# Altium PCB unisat_gs_board.PcbDoc (part 1 of 2)
Units mm, origin at the board's own origin, x right, y up, seen from the top; angles counter-clockwise.
Board outline 53 x 99.74 mm, 2 copper layers (Top Layer, Bottom), stack 0.98 mm thick; 108 components, 82 nets, 459 pads, 498 vias.
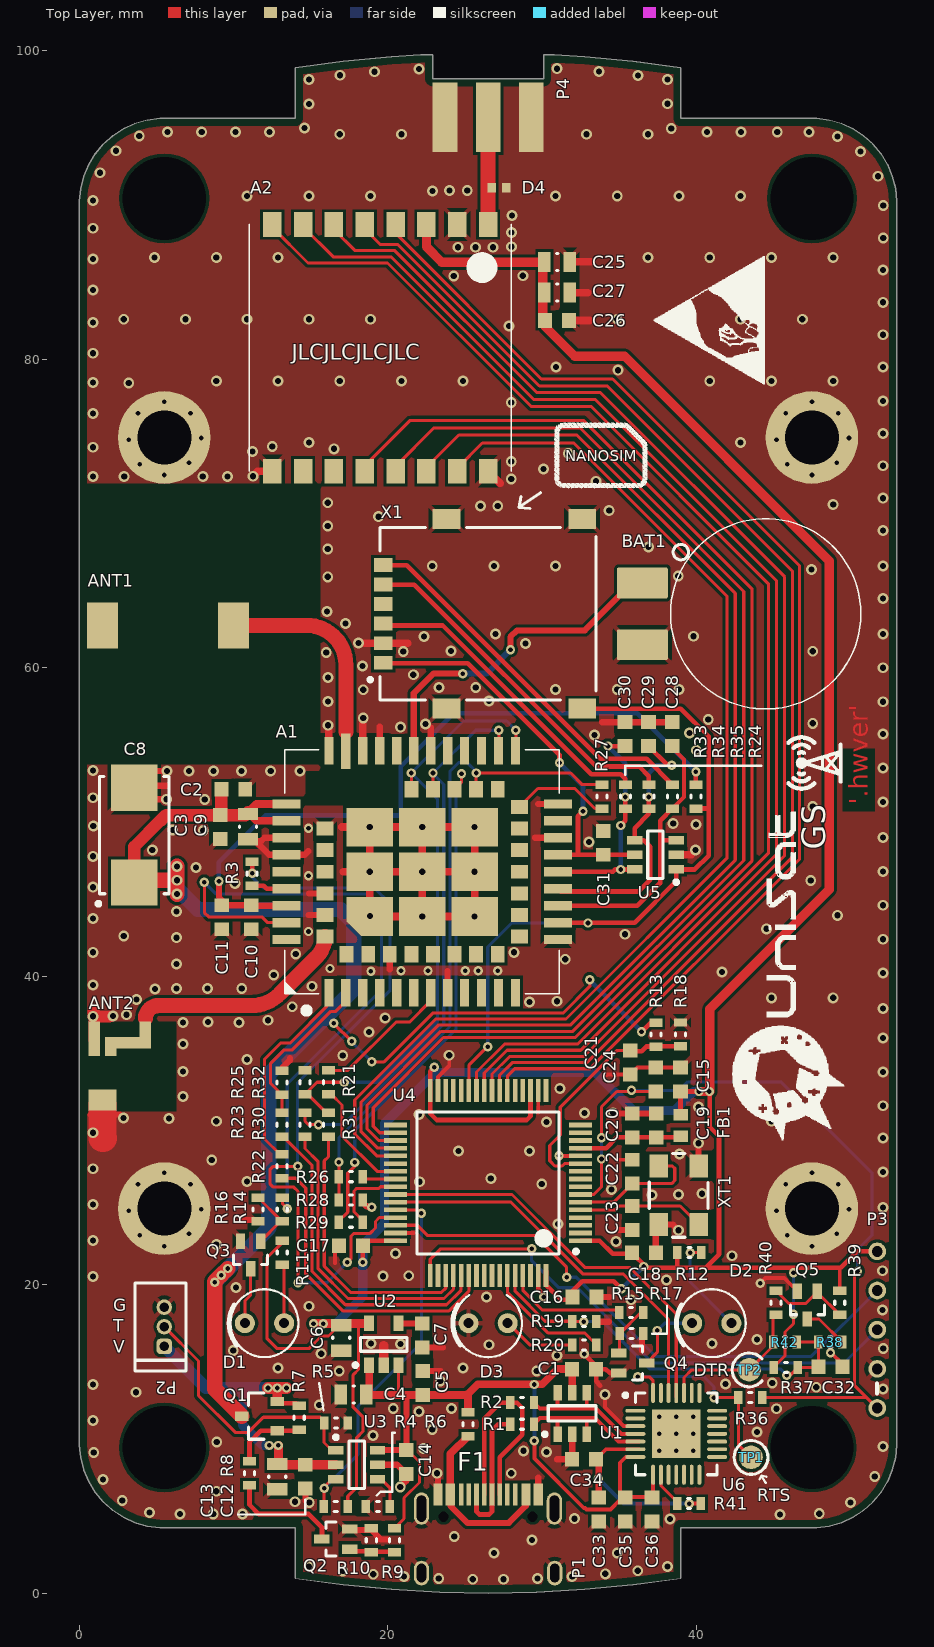
[diagram p0: Top Layer view]
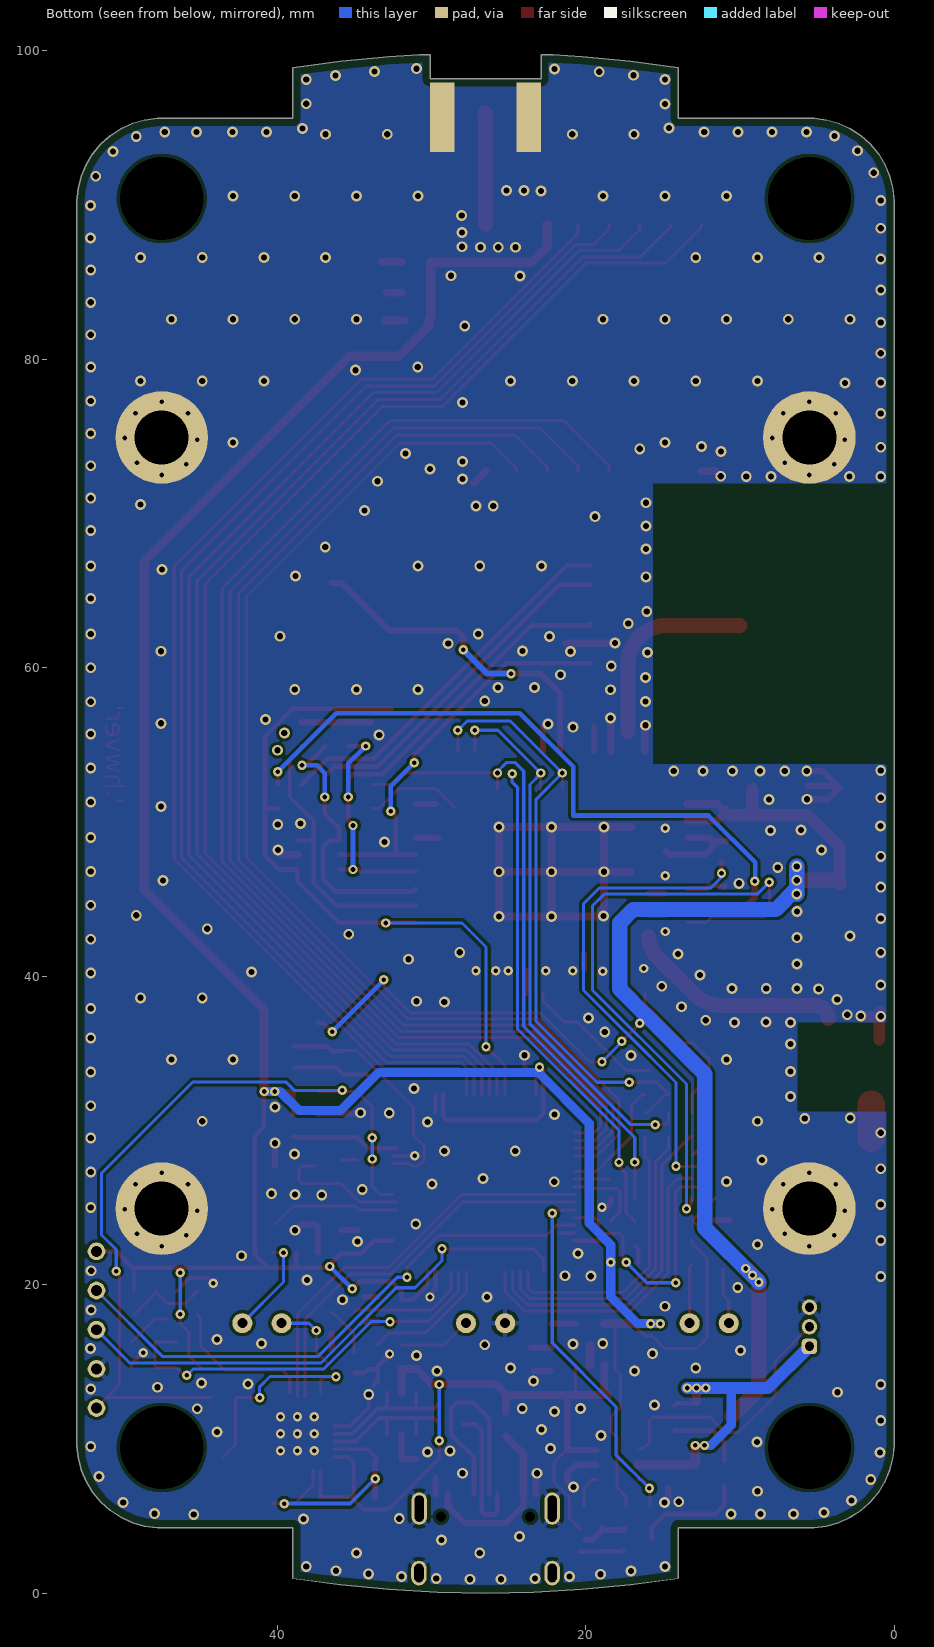
[diagram p1: Bottom view, seen from below]
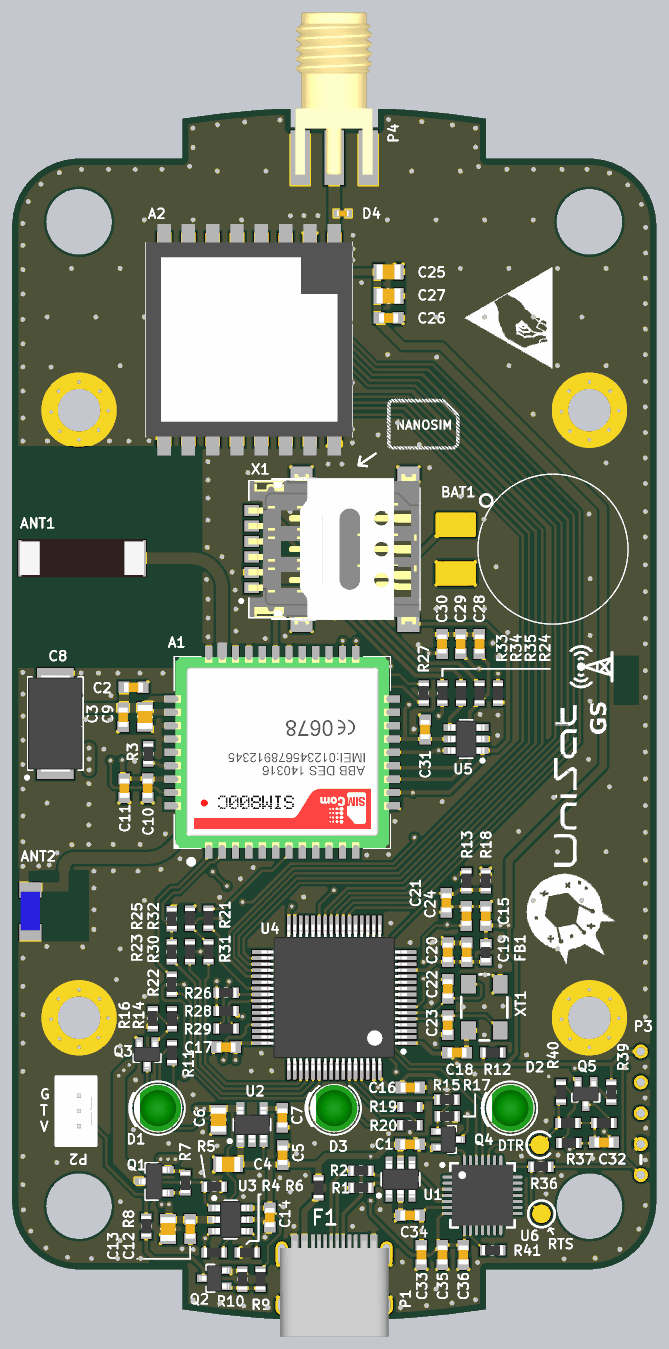
[diagram p3: 3D render of the assembled board from above, using the file's embedded part models]

## Layer stack, top to bottom
Top Solder: solder mask 0.01, Solder Resist, Dk 3.5
Top Layer: signal copper 0.035
Dielectric 1: dielectric 0.91, FR-4, Dk 4.8
Bottom: signal copper 0.035
Bottom Solder: solder mask 0.01, Solder Resist, Dk 3.5

## Board outline
1.025,6.533 0.599,7.234 0.282,7.991 0.081,8.786 0,9.602 0,90.266 0.081,91.082 0.282,91.877 0.599,92.634 1.025,93.335 1.551,93.964 2.164,94.509 2.852,94.956 3.598,95.296 4.387,95.522 5.2,95.627 14,95.627 14,98.922 17.109,99.335 20.232,99.631 22.125,99.738 22.9,99.738 22.9,98.2 30.1,98.2 30.1,99.738 30.788,99.738 30.789,99.743 32.768,99.631 35.891,99.335 39,98.922 39,95.627 47.8,95.627 48.613,95.522 49.402,95.296 50.148,94.956 50.836,94.509 51.449,93.964 51.975,93.335 52.401,92.634 52.718,91.877 52.919,91.082 53,90.266 53,9.602 52.919,8.786 52.718,7.991 52.401,7.234 51.975,6.533 51.449,5.904 50.836,5.359 50.148,4.912 49.402,4.572 48.613,4.346 47.8,4.241 39,4.241 39,0.946 35.891,0.533 32.768,0.237 29.636,0.059 26.5,0 23.364,0.059 20.232,0.237 17.109,0.533 14,0.946 14,4.241 5.2,4.241 4.387,4.346 3.598,4.572 2.852,4.912 2.164,5.359 1.551,5.904

## Design rules (kind name [scope] priority, off if disabled: settings)
BoardOutlineClearance BoardOutlineClearance_CONN [InComponent('P1') or  InComponent('P4')] p1: gap=0.01
BoardOutlineClearance BoardOutlineClearance_silk [OnTopSilkscreen] p2: gap=0.2
BoardOutlineClearance BoardOutlineClearance_ALL [All] p3: gap=0.5
Clearance [InNetClass('RF50')] p1: gap=0.2
Clearance Clearance_ALL [All] p2: gap=0.2
ComponentClearance ComponentClearance_RF_RES [InComponent('R19') OR InComponent('R20') vs InComponent('R19') OR InComponent('R20')] p1: gap=-1 collisioncheckmode=3 verticalgap=2540 showdistances=FALSE
ComponentClearance ComponentClearance_EDGE [InComponent('CN1') vs InComponent('D3') OR InComponent('U5') OR  HasFootprint('TestPoint_1M0') OR  InComponent('F1')] p2: gap=-1 collisioncheckmode=3 verticalgap=2540 showdistances=FALSE
ComponentClearance ComponentClearance_ALL [All] p3: gap=0.2 collisioncheckmode=3 verticalgap=0.3 showdistances=FALSE
HoleSize [All] p1: absolutevalues=TRUE maxlimit=6.2 minlimit=0.3 maxpercent=80.000 minpercent=20.000
MinimumAnnularRing [All] p1: minimumring=0.15
MinimumSolderMaskSliver MinimumSolderMaskSliver_USB [HasFootprint('TYPE-C-C165948')] p1: minsoldermaskwidth=0.075
MinimumSolderMaskSliver MinimumSolderMaskSliver_ALL [All] p2: minsoldermaskwidth=0.1
PolygonConnect PolygonConnect_RF [InComponent('P4') or  InComponent('D4') vs InNet('GND')] p1: connectstyle=Direct reliefconductorwidth=0.254 reliefentries=4 polygonreliefangle="45 Angle" airgapwidth=0.254
PolygonConnect PolygonConnect_MNT [IsPad and (HoleSize > 2.5) vs InNet('GND')] p2: connectstyle=Direct reliefconductorwidth=0.254 reliefentries=4 polygonreliefangle="45 Angle" airgapwidth=0.254
PolygonConnect PolygonConnect_VIA [InNet('GND') AND IsVia] p3: connectstyle=Direct reliefconductorwidth=0.254 reliefentries=4 polygonreliefangle="45 Angle" airgapwidth=0.254
PolygonConnect PolygonConnect_all [All] p4: connectstyle=Relief reliefconductorwidth=0.3 reliefentries=4 polygonreliefangle="45 Angle" airgapwidth=0.254
RoomDefinition USB [InComponentClass('USB')] p1 off: confinementstyle=ConfineIn formatcopy=TRUE lockcomponents=FALSE outline 0.15,-24.526 3.225,-24.526 3.225,-17.725 0.15,-17.725
RoomDefinition SIM [InComponentClass('SIM')] p2 off: confinementstyle=ConfineIn formatcopy=TRUE lockcomponents=FALSE outline -2.725,-24.5 -0.225,-24.5 -0.225,-17.75 -2.725,-17.75
RoomDefinition RF [InComponentClass('RF')] p3 off: confinementstyle=ConfineIn formatcopy=TRUE lockcomponents=FALSE outline -5.975,-24.5 -3.475,-24.5 -3.475,-17.75 -5.975,-17.75
RoomDefinition PWR [InComponentClass('PWR')] p4 off: confinementstyle=ConfineIn formatcopy=TRUE lockcomponents=FALSE outline -12.475,-24.5 -9.725,-24.5 -9.725,-17.75 -12.475,-17.75
RoomDefinition MCU [InComponentClass('MCU')] p5 off: confinementstyle=ConfineIn formatcopy=TRUE lockcomponents=FALSE outline -9.225,-24.4 -6.475,-24.4 -6.475,-17.75 -9.225,-17.75
RoomDefinition 00_Main [InComponentClass('00_Main')] p6 off: confinementstyle=ConfineIn formatcopy=TRUE lockcomponents=FALSE outline -16.225,-24.5 -13.225,-24.5 -13.225,-17.75 -16.225,-17.75
RoutingVias [All] p1: holewidth=0.3 width=0.605 viastyle="Through Hole" minholewidth=0.3 minwidth=0.605 maxholewidth=2 maxwidth=1
SilkToSilkClearance SilkToSilkClearance_Text [All vs IsObjectKind('Text')] p1: silktosilkclearance=0.152
SilkToSilkClearance SilkToSilkClearance_1 [All] p2: silktosilkclearance=0
SilkToSolderMaskClearance [IsPad] p1: minsilkscreentomaskgap=0.152 clearancetoexposedcopper=TRUE
SolderMaskExpansion SolderMaskExpansion_JST [HasFootprint('JST_1.25MM_3V')] p1: expansion=0.075
SolderMaskExpansion SolderMaskExpansion_ALL [All] p2: expansion=0.102
Width Width_RF50 [InNetClass('RF50')] p1: maxlimit=0.98 minlimit=0.98 preferedwidth=0.98
Width Width_ALL [All] p2: maxlimit=1.8 minlimit=0.2 preferedwidth=0.3
25 further rules are at their usual default settings.

## Classes and differential pairs
component class USB: C32 C33 C34 C35 C36 Q5 R36 R37 R38 R39 R40 R41 R42 TP1 TP2 U6
net class RF50: NetA1_32 NetA1_68 NetA2_1
component class SIM: ANT1 ANT2 C28 C29 C30 C31 D7 R21 R22 R23 R24 R25 R26 R27 R28 R29 R30 R31 R32 R33 R34 R35 U5 X1
component class RF: A2 C25 C26 C27 D4 P4
component class PWR: A1 BAT1 C2 C3 C4 C5 C6 C7 C8 C9 C10 C11 C12 C13 C14 C15 C16 C17 C18 C19 C20 C21 D1 D2 FB1 P2 Q1 Q2 Q3 Q4 R3 R4 R5 R6 R7 R8 R9 R10 R11 R12 R13 R14 R15 R16 R17 R18 U2 U3 U4
component class MCU: C22 C23 C24 D3 P3 R19 R20 XT1
component class 00_Main: C1 F1 P1 R1 R2 U1

## Components (designator, comment, footprint, x,y, rotation, side; value= is the part's Value field where it differs from the comment)
A1 "SIM868" SIM868 22.225,46.775 r180 top locked
A2 "RA-01" RA-01 19.5,80.75 r270 top locked
ANT1 "W3070" W3070 10,62.75 r180 top
ANT2 "ANT3216LL15R1575A" ANT3216LL15 1.49,31.97 r270 top
BAT1 "17mAh" ML1220 44.5,63.5 r180 top
C1 "100n" C0603_IPC_MD 32.725,14.525 r0 top
C2 "100n" C0603_IPC_MD 9.975,52.125 r180 top
C3 "100n" C0603_IPC_MD 9.128,49.67 r90 top
C4 "22u" C0805_IPC_HD 17.775,12.875 r180 top
C5 "100n" C0603_IPC_MD 22.25,13.625 r90 top
C6 "22u" C0805_IPC_HD 16.975,16.55 r270 top
C7 "10n" C0603_IPC_MD 22.225,16.7 r90 top
C8 "220u" TANT_CAP_7343 3.55,49.15 r90 top
C9 "22u" C0805_IPC_HD 10.925,49.7 r270 top
C10 "1u" C0603_IPC_MD 11.15,43.825 r90 top
C11 "100n" C0603_IPC_MD 9.225,43.825 r90 top
C12 "1u" C0603_IPC_MD 14.65,7.55 r90 top
C13 "22u" C0805_IPC_HD 12.825,7.55 r270 top
C14 "1u" C0603_IPC_MD 21.2,8.5 r90 top
C15 "100n" C0603_IPC_MD 38.975,33.3 r270 top
C16 "100n" C0603_IPC_MD 32.75,19.2 r180 top
C17 "100n" C0603_IPC_MD 17.6,22.525 r0 top
C18 "1u" C0603_IPC_MD 36.6,22.075 r180 top
C19 "100n" C0603_IPC_MD 37.4,30.325 r270 top
C20 "1u" C0603_IPC_MD 35.85,30.325 r270 top
C21 "1u" C0603_IPC_MD 35.725,34.4 r90 top
C22 "18p" C0603_IPC_MD 35.85,27.325 r270 top
C23 "18p" C0603_IPC_MD 35.85,24.325 r90 top
C24 "100n" C0603_IPC_MD 37.375,33.3 r270 top
C25 "22u" C0805_IPC_HD 30.975,86.325 r0 top
C26 "100n" C0603_IPC_MD 30.975,82.525 r0 top
C27 "22u" C0805_IPC_HD 30.975,84.325 r0 top
C28 "18p" C0603_IPC_MD 38.45,55.7 r270 top
C29 "18p" C0603_IPC_MD 36.9,55.7 r270 top
C30 "18p" C0603_IPC_MD 35.375,55.7 r270 top
C31 "100n" C0603_IPC_MD 33.975,48.65 r270 top
C32 "100n" C0603_IPC_MD 48.7,14.675 r180 top
C33 "1u" C0603_IPC_MD 33.675,5.425 r90 top
C34 "100n" C0603_IPC_MD 32.725,8.675 r0 top
C35 "100n" C0603_IPC_MD 35.4,5.425 r90 top
C36 "100n" C0603_IPC_MD 37.125,5.425 r90 top
D1 "LTL-4231N" LED3MM_HOLDER 12,17.5 r180 top locked
D2 "LTL-4231N" LED3MM_HOLDER 41,17.5 r180 top locked
D3 "LTL-4231N" LED3MM_HOLDER 26.5,17.5 r180 top locked
D4 "LXES15AAA1-153" C0402_IPC_MD 27.2,91.125 r180 top
F1 "1A" R0603_IPC_MD 25.2,10.95 r90 top
FB1 "MH1608-601Y" L0603_IPC_MD 38.975,30.325 r270 top
P1 "TYPE-C-31-M-12" TYPE-C-C165948 26.5,1.3 r0 top locked
P2 "JST_3V_1.25MM" JST_1.25MM_3V 5.5,16 r90 top
P3 "SWD" SWD_CON_VAR2 51.73,12 r180 top
P4 "SMA-SMD-EDGE" SMA-SMD-EDGE 26.5,98.3 r270 top locked
Q1 "DMG2305UX-13" SOT23 11.675,11.475 r180 top
Q2 "BSS816NW" SOT323 16.625,3.5 r180 top
Q3 "BSS816NW" SOT323 11.1,21.925 r270 top
Q4 "BSS816NW" SOT323 35.875,14.925 r0 top
Q5 "BSS816NW" SOT323 47.2,18.675 r270 top
R1 "22R" R0603_IPC_MD 28.7,10.95 r0 top
R2 "22R" R0603_IPC_MD 28.7,12.35 r0 top
R3 "330R" R0603_IPC_MD 11.2,46.65 r270 top
R4 "100k" R0603_IPC_MD 16.625,5.625 r0 top
R5 "237k" R0603_IPC_MD 16.634,11.025 r180 top
R6 "1k5" R0603_IPC_MD 19.35,5.625 r0 top
R7 "100k" R0603_IPC_MD 14.25,11.375 r90 top
R8 "330R" R0603_IPC_MD 11.025,7.775 r90 top
R9 "330R" R0603_IPC_MD 20.425,3.425 r90 top
R10 "100k" R0603_IPC_MD 18.925,3.425 r270 top
R11 "330R" R0603_IPC_MD 13.15,22.075 r90 top
R12 "330R" R0603_IPC_MD 39.55,22.075 r180 top
R13 "100k" R0603_IPC_MD 37.375,36.216 r90 top
R14 "330R" R0603_IPC_MD 13.15,24.875 r90 top
R15 "330R" R0603_IPC_MD 35.775,18.2 r180 top
R16 "100k" R0603_IPC_MD 11.575,24.875 r90 top
R17 "100k" R0603_IPC_MD 35.8,16.825 r180 top
R18 "100k" R0603_IPC_MD 38.975,36.225 r270 top
R19 "5.62k" R0603_IPC_MD 32.725,17.6 r180 top
R20 "330R" R0603_IPC_MD 32.725,16.1 r180 top
R21 "1k" R0603_IPC_MD 16.15,33.125 r90 top
R22 "1k" R0603_IPC_MD 13.125,27.675 r90 top
R23 "1k" R0603_IPC_MD 13.125,30.375 r90 top
R24 "5.62k" R0603_IPC_MD 39.975,51.65 r90 top
R25 "5.62k" R0603_IPC_MD 13.125,33.1 r270 top
R26 "1k" R0603_IPC_MD 17.6,27 r180 top
R27 "5.62k" R0603_IPC_MD 33.875,51.65 r270 top
R28 "5.62k" R0603_IPC_MD 17.6,25.5 r180 top
R29 "1k" R0603_IPC_MD 17.6,24.05 r180 top
R30 "1k" R0603_IPC_MD 14.625,30.375 r90 top
R31 "1k" R0603_IPC_MD 16.15,30.375 r90 top
R32 "5.62k" R0603_IPC_MD 14.625,33.125 r270 top
R33 "22R" R0603_IPC_MD 35.4,51.65 r90 top
R34 "22R" R0603_IPC_MD 36.925,51.65 r90 top
R35 "22R" R0603_IPC_MD 38.45,51.65 r90 top
R36 "330R" R0603_IPC_MD 43.5,12.675 r180 top
R37 "100k" R0603_IPC_MD 45.809,14.625 r180 top
R38 "330R" R0603_IPC_MD 48.684,16.275 r0 top
R39 "100k" R0603_IPC_MD 49.3,18.822 r90 top
R40 "330R" R0603_IPC_MD 45.166,18.822 r90 top
R41 "100k" R0603_IPC_MD 39.525,5.8 r180 top
R42 "330R" R0603_IPC_MD 45.75,16.275 r0 top
TP1 "RTS" TestPoint_1M5 43.55,8.8 r0 top
TP2 "DTR" TestPoint_1M5 43.425,14.475 r0 top
U1 "TPD4E001DBVR" SOT23-6 31.95,11.65 r90 top
U2 "MIC5219-3.3YM5-TR" SOT23-5_(MT) 19.73,16.135 r90 top
U3 "BQ21040DBVR" SOT23-6 17.975,8.325 r0 top
U4 "STM32L073RZT6" LQFP64_10X10MM 26.5,26.6 r180 top locked
U5 "TPD4E001DBVR" SOT23-6 37.35,47.875 r180 top
U6 "CP2102-GMR" QFN28_(SL) 38.7,10.325 r0 top
X1 "SNO-1305-B" SNO-1305-B 26.5,63.5 r90 top
XT1 "8 MHz" 5.0X3.2_4PAD_SMT 38.85,25.8 r270 top

## Footprints (in the part's own frame and the unit in brackets; to place one, negate y for a bottom-side part, rotate by r counter-clockwise, add the part's x,y. Pads: shape width x height; smd on the part's side, far side on the other; paste and mask are expansions set on the pad)
5.0X3.2_4PAD_SMT [mm] "5.0mm x 3.2mm Oscillator"
  rect 1.5x1.2 smd paste+0: 1(-1.9,-1.3) 2(1.9,-1.3) 3(1.9,1.3) 4(-1.9,1.3)
  silkscreen extent -2.7,-1.9 2.73,1.9, body extent -2.55,-1.65 2.55,1.65, height 1.5
ANT3216LL15 [mm]
  rect 1.25x0.75 smd paste-5 mask-2: 1(-4.48,2.785)
  rect 0.75x3 smd paste-5 mask-2: 1(-3.73,1.66)
  rect 1.25x0.74 smd paste-6: 1(-3.48,0.53)
  rect 2.25x0.74 smd paste-5 mask-2: 2(-3.98,-0.53)
  rect 1.35x1.8 smd: 2(0,0)
  Top Layer pour cut-out: -5.11,-1.2 0.68,-1.2 0.68,4.8 -5.11,4.8
  body extent -3.35,-0.8 -0.15,0.8, height 1.2
C0402_IPC_MD [mm] "Chip Capacitor, 2-Leads, Body 1,00x0,50mm, IPC Medium Density"
  rect 0.55x0.64 smd: 1(-0.475,0) 2(0.475,0)
  body extent -0.5,-0.25 0.5,0.25, height 0.5
C0603_IPC_MD [mm] "Chip Capacitor, 2-Leads, Body 1,60x0,80mm, IPC Medium Density"
  rect 0.9x0.95 smd: 1(-0.775,0) 2(0.775,0)
  body extent -0.8,-0.4 0.8,0.4, height 0.8
C0805_IPC_HD [mm] "Chip Capacitor, 2-Leads, Body 2,00x1,25mm, IPC High Density"
  rect 0.8x1.3 smd: 1(-0.825,0) 2(0.825,0)
  silkscreen extent -0.05,-0.55 0.05,0.55, body extent -1,-0.63 1,0.63, height 1.25
JST_1.25MM_3V [mm]
  rrect50% 1x1 hole 0.6: 1(0,0)
  round 1 hole 0.6: 2(1.27,0) 3(2.54,0)
  silkscreen extent -1.6,-1.4 4.1,1.9, body extent -1.6,-1.4 4.14,1.93, height 4.22
L0603_IPC_MD [mm] "Chip Inductor, 2-Leads, Body 1,60x0,80mm, IPC Medium Density"
  rect 0.75x0.94 smd: 1(-0.705,0) 2(0.705,0)
  body extent -0.85,-0.4 0.85,0.4, height 0.8
LED3MM_HOLDER [mm]
  round 1.3 hole 0.65: 1(1.27,0) 2(-1.27,0)
  silkscreen extent -2.2,-2.2 2.3,2.2, body extent -2,-2 2,2, height 11.3
LQFP64_10X10MM [mm] "LQFP, 64-Leads, Body 10,00x10,00mm, Pitch 0,50mm, IPC Medium Density"
  rect 1.5x0.3 smd: 1(-6,3.75) 2(-6,3.25) 3(-6,2.75) 4(-6,2.25) 5(-6,1.75) 6(-6,1.25) 7(-6,0.75) 8(-6,0.25) 9(-6,-0.25) 10(-6,-0.75) 11(-6,-1.25) 12(-6,-1.75) 13(-6,-2.25) 14(-6,-2.75) 15(-6,-3.25) 16(-6,-3.75) 33(6,-3.75) 34(6,-3.25) 35(6,-2.75) 36(6,-2.25) 37(6,-1.75) 38(6,-1.25) 39(6,-0.75) 40(6,-0.25) 41(6,0.25) 42(6,0.75) 43(6,1.25) 44(6,1.75) 45(6,2.25) 46(6,2.75) 47(6,3.25) 48(6,3.75)
  rect 0.3x1.5 smd: 17(-3.75,-6) 18(-3.25,-6) 19(-2.75,-6) 20(-2.25,-6) 21(-1.75,-6) 22(-1.25,-6) 23(-0.75,-6) 24(-0.25,-6) 25(0.25,-6) 26(0.75,-6) 27(1.25,-6) 28(1.75,-6) 29(2.25,-6) 30(2.75,-6) 31(3.25,-6) 32(3.75,-6) 49(3.75,6) 50(3.25,6) 51(2.75,6) 52(2.25,6) 53(1.75,6) 54(1.25,6) 55(0.75,6) 56(0.25,6) 57(-0.25,6) 58(-0.75,6) 59(-1.25,6) 60(-1.75,6) 61(-2.25,6) 62(-2.75,6) 63(-3.25,6) 64(-3.75,6)
  silkscreen extent -5.82,-4.6 4.6,4.6, body extent -6,-6 6,6, height 1.6
ML1220 [mm]
  rrect10% 3.3x2 smd paste-5: 1(8,-2) 2(8,2)
  silkscreen extent -6.17,-6.17 6.17,6.17, body extent -6.25,-6.25 6.25,6.25, height 2.1
QFN28_(SL) [mm] "QFN, 28-Leads, Body 5,00x5,00mm, Pitch 0,50mm, Thermal Pad 3,13x3,13mm, IPC Medium Density"
  oval 1.3x0.25 smd mask+0.051: 1(-2.65,1.5) 2(-2.65,1) 3(-2.65,0.5) 4(-2.65,0) 5(-2.65,-0.5) 6(-2.65,-1) 7(-2.65,-1.5) 15(2.65,-1.5) 16(2.65,-1) 17(2.65,-0.5) 18(2.65,0) 19(2.65,0.5) 20(2.65,1) 21(2.65,1.5)
  oval 0.25x1.3 smd mask+0.051: 8(-1.5,-2.65) 9(-1,-2.65) 10(-0.5,-2.65) 11(0,-2.65) 12(0.5,-2.65) 13(1,-2.65) 14(1.5,-2.65) 22(1.5,2.65) 23(1,2.65) 24(0.5,2.65) 25(0,2.65) 26(-0.5,2.65) 27(-1,2.65) 28(-1.5,2.65)
  rect 3.13x3.13 smd mask+0.051: 29(0,0)
  silkscreen extent -3.42,-2.65 2.65,2.65, body extent -2.5,-2.5 2.5,2.5, height 1
R0603_IPC_MD [mm] "Chip Resistor, 2-Leads, Body 1,60x0,80mm, IPC Medium Density"
  rect 0.55x0.85 smd: 1(-0.775,0) 2(0.775,0)
  silkscreen extent -0.1,-0.33 0.1,0.33, body extent -0.85,-0.4 0.85,0.4, height 0.45
RA-01 [mm] "RF MODULE"
  rect 1.6x1.2 smd paste-2: 1(-8,7) 2(-8,5) 3(-8,3) 4(-8,1) 5(-8,-1) 6(-8,-3) 7(-8,-5) 8(-8,-7) 9(8,-7) 10(8,-5) 11(8,-3) 12(8,-1) 13(8,1) 14(8,3) 15(8,5) 16(8,7)
  silkscreen extent -8,-8.5 8,8.5, body extent -8,-8.5 8,8.5, height 2.6
SIM868 [mm]
  rect 0.6x1.8 smd mask+0.051: 1(6.05,7.85) 2(4.95,7.85) 3(3.85,7.85) 4(2.75,7.85) 5(1.65,7.85) 6(0.55,7.85) 7(-0.55,7.85) 8(-1.65,7.85) 9(-2.75,7.85) 10(-3.85,7.85) 11(-4.95,7.85) 12(-6.05,7.85) 22(-6.05,-7.85) 23(-4.95,-7.85) 24(-3.85,-7.85) 25(-2.75,-7.85) 26(-1.65,-7.85) 27(-0.55,-7.85) 28(0.55,-7.85) 29(1.65,-7.85) 30(2.75,-7.85) 31(3.85,-7.85) 33(6.05,-7.85)
  rect 1.8x0.6 smd mask+0.051: 13(-8.8,4.4) 14(-8.8,3.3) 15(-8.8,2.2) 16(-8.8,1.1) 17(-8.8,0) 18(-8.8,-1.1) 19(-8.8,-2.2) 20(-8.8,-3.3) 21(-8.8,-4.4) 34(8.8,-4.4) 35(8.8,-3.3) 36(8.8,-2.2) 37(8.8,-1.1) 38(8.8,0) 39(8.8,1.1) 40(8.8,2.2) 41(8.8,3.3) 42(8.8,4.4)
  rect 0.6x2.3 smd paste+0.1 mask+0.051: 32(4.95,-7.8)
  rect 0.9x1.1 smd paste-0.08 mask+0.051: 43(4.9,5.35) 44(3.5,5.35) 45(2.1,5.35) 46(0.7,5.35) 47(-0.7,5.35) 48(-2.1,5.35) 49(-3.5,5.35) 50(-4.9,5.35) 58(-4.9,-5.35) 59(-3.5,-5.35) 60(-2.1,-5.35) 61(-0.7,-5.35) 62(0.7,-5.35)
  rect 1.1x0.9 smd paste-0.08 mask+0.051: 51(-6.3,4.2) 52(-6.3,2.8) 53(-6.3,1.4) 54(-6.3,0) 55(-6.3,-1.4) 56(-6.3,-2.8) 57(-6.3,-4.2) 63(6.3,-2.8) 64(6.3,-1.4) 65(6.3,0) 66(6.3,1.4) 67(6.3,2.8)
  rect 1.1x0.9 smd paste+0 mask+0.051: 68(6.3,4.2)
  rect 3x2.5 smd paste-10 mask+0.075: PAD(-3.4,-2.9) PAD(-3.4,0) PAD(-3.4,2.9) PAD(0,2.9) PAD(0,0) PAD(0,-2.9) PAD(3.4,-2.9) PAD(3.4,0)
  rect 2.07x2.5 smd paste-10 mask+0.075: PAD(2.935,2.9)
  rect 3x1.57 smd paste-10 mask+0.075: PAD(3.4,2.435)
  rect 1x1.32 smd rot 45 paste-10 mask+0: PAD(4.082,3.33)
  rect 1x1.2 smd rot 45 paste-10 mask+0.075: PAD(4.082,3.33)
  Top Layer pour cut-out: 1.46,-6.54 7.59,-6.54 7.59,-4.27 1.46,-4.27
  silkscreen extent -8.9,-7.9 8.9,9.2, body extent -8.8,-7.84 8.8,7.86, height 2.43
SMA-SMD-EDGE [mm] "Surface mount RF connector"
  rect 4.5x1.6 smd: 1(2.6,2.8) 1(2.6,-2.8) 2(2.6,0)
  rect 4.5x1.6 smd far side: 1(2.6,2.8) 1(2.6,-2.8)
  body extent -9.34,-3.2 3.99,3.15, height 3.85
SNO-1305-B [mm]
  rect 0.9x1.2 smd: C1(-3.175,6.8) C2(-0.635,6.8) C3(1.905,6.8) C5(-1.905,6.8) C6(0.635,6.8) C7(3.175,6.8)
  rect 1.3x1.8 smd: S1(-6.15,2.7) S2(6.15,2.7) S3(6.15,-6.1) SW(-6.15,-6.1)
  silkscreen extent -5.6,-7 5.6,7.76, body extent -6.2,-7.03 6.2,7.07, height 1.4
SOT23 [mm] "SOT23, 3-Leads, Body 2,90x2,30mm, Pitch 0,95mm, IPC Medium Density"
  rect 0.9x0.6 smd: 1(-1.15,0.95) 2(-1.15,-0.95) 3(1.15,0)
  silkscreen extent -0.3,-1.5 0.7,1.5, body extent -1.25,-1.5 1.25,1.5, height 1.1
SOT23-5_(MT) [mm] "SOT23, 5-Leads, Body 2,90x2,80mm, Pitch 0,95mm, IPC Medium Density"
  rect 1x0.66 smd mask+0.051: 1(-1.35,0.95) 2(-1.35,0) 3(-1.35,-0.95) 4(1.35,-0.95) 5(1.35,0.95)
  silkscreen extent -1.47,-1.5 0.45,1.95, body extent -1.45,-1.5 1.45,1.5, height 1.45
SOT23-6 [mm] "SOT23, 6-Leads, Body 2,90x2,80mm, Pitch 0,95mm, IPC Medium Density"
  rect 1x0.55 smd: 1(-1.35,0.95) 2(-1.35,0) 3(-1.35,-0.95) 4(1.35,-0.95) 5(1.35,0) 6(1.35,0.95)
  silkscreen extent -1.47,-1.55 0.5,1.9, body extent -1.5,-1.53 1.5,1.53, height 1.45
SOT323 [mm] "SOT23, 3-Leads, Body 2.00x2.10mm, Pitch 0.65mm, IPC High Density"
  rect 1x0.6 smd: 1(-0.9,0.65) 2(-0.9,-0.65) 3(0.9,0)
  silkscreen extent 0,-1.1 0.63,1.1, body extent -1.2,-1.1 1.2,1.1, height 1
SWD_CON_VAR2 [mm] "Variant 1"
  round 1.15 hole 0.7: 1(0,0) 2(0,-2.54) 3(0,-5.08) 4(0,-7.62) 5(0,-10.16)
  silkscreen extent 0,-1.6 0,-0.95
TANT_CAP_7343 [mm] "Molded Capacitor, 2-Leads, Body 7,30x4,30mm, IPC Medium Density"
  rect 3x3 smd: 1(-3.075,0) 2(3.075,0)
  silkscreen extent -4.57,-2.25 3.8,2.45, body extent -4.02,-2.25 4.02,2.25, height 2
TestPoint_1M5 [mil] "Test Point d=1.5mm"
  round 60 smd paste-393.7: 0(0,0)
  silkscreen extent -43,-43 43,43
TYPE-C-C165948 [mm] "USB TYPE C"
  rect 0x0 hole 0.65 unplated rot 45: 0(-2.89,3.65) 0(2.89,3.65)
  rect 0.6x1.45 smd mask+0.051: A1(-3.25,5.095) A4(-2.45,5.095) A9(2.45,5.095) A12(3.25,5.095)
  rect 0.3x1.45 smd mask+0.051: A5(-1.25,5.095) A6(-0.25,5.095) A7(0.25,5.095) A8(1.25,5.095) B5(1.75,5.095) B6(0.75,5.095) B7(-0.75,5.095) B8(-1.75,5.095)
  oval 1x2.1 hole 0.6 slot 1.7 at 90 deg: SH1(-4.32,4.18) SH4(4.3,4.18)
  oval 1x1.6 hole 0.6 slot 1.2 at 90 deg: SH2(-4.32,0) SH3(4.32,0)
  body extent -4.46,-2.6 4.47,5.3, height 3.21
W3070 [mm] "GMS ANTENNA"
  rect 2x3 smd: 1(0,0) 2(8.5,0)
  body extent -0.85,-1.57 9.35,1.58, height 2.1

## Part data
A1: "GSM & GPRS & GPS Modules PCBModule RoHS"
A2: "Wireless Modules SX1278"
ANT1: "RF ANT 900MHZ/1.8GHZ CHIP SLD"
ANT2: "RF ANT 1.575GHZ CHIP SOLDER SMD"
BAT1: library part ML1220, "BATT LITH 3V 17MAH COIN 12.5MM"
C1 C2 C3 C5 C11 C15 C16 C17 C19 C24 C26 C31 C32 C34 C35 C36: library part CL10B104KO8NNNC, "CAP CER 0.1UF 16V X7R 0603"
C4 C6 C9 C13 C25 C27: library part CL21A226MOCLRNC, "CAP CER 22UF 16V X5R 0805"
C7: library part CL10B103KB8NNNC, "CAP CER 0.01UF 50V X7R 0603"
C8: library part 6TPE220MI, "Tantalum Capacitors 220uF 6.3V CASE-D_7343 RoHS"
C10 C12 C14 C18 C20 C21 C33: library part CL10B105MO8NNWC, "CAP CER 1UF 16V X7R 0603"
C22 C23 C28 C29 C30: library part CL10C180JB8NNNC, "CAP CER 18PF 50V C0G/NP0 0603"
D1 D2 D3: "Light Emitting Diodes (LED) Green 569nm 12.6mcd@10mA Top View DIP3mm RoHS"
D4: "TVS DIODE 4V 0402"
F1: library part MFU0603FF01000P500, "FUSE BOARD MOUNT 1A 32VDC 0603"
FB1: "FERRITE BEAD 600R@100MHz 0603 for Power Line, 1000mA"
P1: "TYPE C PCB TH CONN"
P2: "1.25mm Pitch Connector Micro JST Horizontal Straight Pin 3"
P3: library part SWD-CONNECTOR_VAR1, "SWDIO SWCLK VDD GND NRST"
P4: "SMA SMD EDGE CONNECTER"
Q1: library part DMG2305, "MOSFET P-CH 20V 4.2A SOT23"
Q2 Q3 Q4 Q5: library part BSS816, "N-Channel Logic Level Enhancement Mode Field Effect Transistor"
R1 R2 R33 R34 R35: library part CR0603-JW-220ELF, "RES SMD 22 OHM 5% 1/10W 0603"
R3 R8 R9 R11 R12 R14 R15 R20 R36 R38 R40 R42: library part CR0603-JW-331ELF, "RES SMD 330 OHM 5% 1/10W 0603"
R4 R7 R10 R13 R16 R17 R18 R37 R39 R41: library part RMCF0603FT100K, "RES 100K OHM 1% 1/10W 0603"
R5: library part RC0603FR-07237KL, "RES SMD 237K OHM 1% 1/10W 0603"
R6: library part RC0603JR-071K5L, "RES SMD 1.5K OHM 5% 1/10W 0603"
R19 R24 R25 R27 R28 R32: library part CR0603-JW-5.62kR, "RES 5.62K OHM 1% 1/10W 0603"
R21 R22 R23 R26 R29 R30 R31: library part CR0603-JW-102ELF, "RES SMD 1K OHM 5% 1/10W 0603"
TP1 TP2: library part TP, "Test Point"
U1 U5: "4x TVS DIODE 5.5V SOT23-6"
U2: "IC REG LINEAR 3.3V 500MA SOT23-5"
U3: "IC BAT CHG LI-ION 1 CELL SOT23-6"
U4: "Ultra-low-power 32-bit MCU ARM®-based Cortex®-M0+"
U6: "IC USB-TO-UART BRIDGE 28VQFN"
X1: "Hinged Sim Card Connector. With 6 contacts, with switch for card detection. Profile above PCB is 1.43mm."
XT1: library part ABM3B-8.000MHZ-10-1-U-T, "8MHz ±10ppm Crystal 10pF 200 Ohms 4-SMD, No Lead"

## Free pads (board coordinates)
  round 0 hole 5.4 unplated mask+0: 1(5.5,9.434) 1(47.5,9.434)
  round 6 hole 3.5: 1(5.5,24.934) 1(5.5,74.934) 1(47.5,24.934) 1(47.5,74.934)
  oval 0x5.4 hole 5.4 unplated mask+0: 1(5.5,90.434)
  oval 5.4x0 hole 5.4 unplated mask+0: 1(47.5,90.434)

## Via types
v1: diameter 0.705, hole 0.4, Top Layer to Bottom, tented both sides, 361 vias
v2: diameter 0.605, hole 0.3, Top Layer to Bottom, tented both sides, 119 vias
v3: diameter 0.705, hole 0.4, Top Layer to Bottom, 9 vias
v4: diameter 0.605, hole 0.3, Top Layer to Bottom, 9 vias

## Nets (pads, with @x,y where several pads share a name; then routed paths per layer and width w, separated by ;. In a path a pad name is that pad's centre, name@x,y a point inside that pad or via, vN(x,y) a via of type N, cw(c..) or ccw(c..) an arc to the next point about the centre after c; other vN are vias at no path point)
1PPS: R15.2 U4.61 | length 8.1
  Top Layer w0.2: U4.61@28.75,20.85 U4.61@28.75,20.6 28.75,19.631 30.031,18.35 34.85,18.35 R15.2@35,18.2
+2V8: A1.40 C10.2 C11.2 R24.2 | length 45.8
  Top Layer w0.3: R24.2@39.975,52.425 v2(39.975,53.25)
  Top Layer w0.4: v2(9.05,46.15) 9.05,45.1 9.55,44.6 C10.2@11.15,44.6 C10.2@11.225,44.6 ; C10.2@11.55,44.575 A1.40@13.425,44.575
  Bottom w0.3: v2(9.05,46.15) 9.075,46.15 9.025,46.2 9.025,47.402 12.048,50.425 20.825,50.425 20.825,53.6 24.275,57.05 36.175,57.05 v2(39.975,53.25)
+3V3: A2.3 C6.1 C15.2 C16.2 C17.2 C18.2 C25.1 C26.1 C27.1 FB1.1 P3.5 R4.2 R11.2 R12.2 R37.2 R39.2 U2.5 U4.1 U4.19 U4.32 U4.48 U4.64 | length 213.6
  Top Layer w0.2: R11.2@13.15,22.85 13.15,22.725 12.15,21.725 12.15,16.525 12.825,15.85 14.875,15.85 15.7,16.675 16.15,16.675 16.95,17.475 C6.1@17.025,17.475 ; R4.2@17.4,5.625 17.4,6.275 17.975,6.85 17.975,10.075 18.375,10.475 18.375,11.425 17.75,12.05 17.75,14.15 18.1,14.5 18.1,17.425 18.05,17.475 ; R37.2@44.984,14.625 45.75,15.391 45.75,16.925 46.3,17.475 v2(46.3,18.075) ; R39.2@49.3,19.597 49.3,21.025 49.375,21.1
  Top Layer w0.3: v2(18.375,21.45) C17.2@18.375,22.525 ; C17.2@18.375,22.85 U4.48@20.5,22.85 U4.48@20.75,22.85 ; v2(23,34.1) 22.75,33.85 U4.32@22.75,32.6 22.75,31.1 23.175,30.675 29,30.675 29.25,30.925 U4.19@29.25,32.35 ; U4.64@30.25,20.85 U4.64@30.25,20.6 30.25,20 31.225,19.025 31.95,19.025 31.95,19.575 32.6,20.225 34.651,20.225 v2(35.151,19.725) ; U4.1@32.5,22.85 33.725,22.85 34.575,22 35.75,22 C18.2@35.825,22.075 36.8,21.1 38.725,21.1 ; R12.2@38.775,22.05 38.775,21.15 38.725,21.1 ; FB1.1@38.975,31.03 C15.2@38.975,32.525 v2(40.175,32.525) ; v2@40.875,32.525 40.875,30.225 41.475,29.625 41.475,21.975 40.6,21.1 ; P3.5@51.73,22.16 50.435,22.16 49.375,21.1 40.6,21.1 ; 38.725,21.1 40.6,21.1
  Top Layer w0.6: v2(15.175,17.475) v2(15.8,17.475) C6.1@16.95,17.475 ; C6.1@17.025,17.475 18.05,17.475 18.77,17.475 U2.5@18.78,17.485 ; A2.3@22.5,88.75 22.5,87.3 23.5,86.3 C25.1@29.9,86.3 ; C25.1@30.05,86.325 30.05,82.675 C26.1@30.2,82.525 30.2,82.125 32.125,80.2 35.35,80.2 48.625,66.925 48.625,45.625 40.875,37.875 40.875,32.525 v2(40.85,32.525) v2(40.175,32.525)
  Bottom w0.2: v2(46.3,18.075) v2(46.3,20.775)
  Bottom w0.3: v2(35.151,19.725) v2(36.602,21.176)
  Bottom w0.6: v2(15.175,17.475) v2(15.8,17.475) ; v2@15.875,17.475 16.625,17.475 18.375,19.225 v2(18.375,21.45) 18.375,22.575 19.775,23.975 19.775,30.45 23.025,33.7 23,33.725 v2(23,34.1) ; 23.1,33.75 33.45,33.75 35.9,31.3 38.6,31.3 39.825,32.525 v2(40.85,32.525)
+4V2: A1.34 A1.35 C2.2 C3.2 C8.1 C9.1 Q1.3 R13.2 | length 101.2
  Top Layer w0.2: v2(16.5,36.95) 16.5,36.925 17.65,35.775 v2(17.662,35.775) ; v2(18.95,34.45) 19.759,34.45 22.937,37.627 31.387,37.627 33.1,39.341 v2(33.1,39.775)
  Top Layer w0.3: v2(36.45,36.4) 37.041,36.991 R13.2@37.375,36.991
  Top Layer w0.5: A1.35@13.425,50.075 11.475,50.075 10.925,50.625 11.475,51.175 A1.34@13.425,51.175
  Top Layer w0.8: C8.1@3.55,46.075 3.55,48.4 5.275,50.125 5.299,50.125 5.624,50.45 C3.2@9.133,50.45 ; C3.2@9.128,50.445 C3.2@9.133,50.45 ; C2.2@9.2,52.125 9.2,50.517 C3.2@9.133,50.45 ; C9.1@10.925,50.625 10.75,50.45 C3.2@9.133,50.45
  Top Layer w1: C8.1@3.55,46.075 3.7,46.225 v1(6.325,46.225) ; v1(6.325,45.325) v1(6.325,46.225) ; v1(6.325,47.125) v1(6.325,46.225) ; v2(9.625,21.05) v2(9.187,20.612) 8.775,20.2 v2(8.775,20.162) 8.775,13.225 Q1.3@10.525,11.475
  Bottom w0.2: 16.037,37.412 v2(16.5,36.95) v2@16.675,36.775 ; v2(17.662,35.775) 17.662,35.738 v2(18.95,34.45)
  Bottom w0.3: v2(33.1,39.775) 33.1,39.75 v2(36.45,36.4)
  Bottom w1: v1(6.325,45.325) v1@6.325,45.675 ; v1(6.325,47.125) v1(6.325,46.225) v1@6.325,45.675 ; v2(8.775,20.162) 12.287,23.675 12.287,33.662 16.037,37.412 ; 16.087,37.462 17.8,39.175 17.8,43.462 16.937,44.325 7.675,44.325 v1@6.325,45.675
ACT: R20.1 U4.59 | length 8.5
  Top Layer w0.2: U4.59@27.75,20.85 U4.59@27.75,20.6 27.75,19.5 30.375,16.875 32.75,16.875 R20.1@33.5,16.125
BOOT: C32.2 R19.2 R37.1 R38.1 R42.2 U4.60 | length 26.4
  Top Layer w0.2: U4.60@28.25,20.85 U4.60@28.25,20.6 28.25,19.566 30.191,17.625 R19.2@31.95,17.625 ; R19.2@31.95,17.6 v2@32.701,17.6 ; v2(45.875,14.125) 46.084,14.125 R37.1@46.584,14.625 47.875,14.625 C32.2@47.925,14.675 47.925,16.259 R38.1@47.909,16.275 R42.2@46.525,16.275
  Bottom w0.2: v2(32.702,17.601) 33.933,17.601 37.009,14.525 45.475,14.525 v2(45.875,14.125)
CP_VDD: C33.2 C34.2 R41.1 U6.6 | length 12.9
  Top Layer w0.25: C34.2@33.675,8.5 C34.2@33.5,8.675 34.15,9.325 U6.6@36.05,9.325 U6.6@36.3,9.325 ; v2(39.55,5.8) R41.1@40.3,5.8
  Top Layer w0.4: C33.2@33.675,6.2 C34.2@33.675,8.5
  Bottom w0.25: v2(33.65,7.425) 35.275,5.8 v2(39.55,5.8)
DTR: R36.2 TP1.0 U6.28 | length 14
  Top Layer w0.2: v2(36.2,14.025) 36.95,14.025 37.2,13.775 U6.28@37.2,12.975 ; v2(41.15,12.675) 40.95,12.675 R36.2@42.725,12.675 42.725,9.625 TP1.0@43.55,8.8
  Bottom w0.2: v2(36.2,14.025) 36.225,14.05 40.475,14.05 41.15,13.375 v2(41.15,12.675)